# Altium PCB KS2E_PRECHARGE.PcbDoc
Units mm, origin at the board's own origin, x right, y up, seen from the top; angles counter-clockwise.
Board outline 90 x 84 mm, 2 copper layers (Top Layer, Bottom Layer), stack 1.569 mm thick; 92 components, 63 nets, 268 pads, 61 vias.
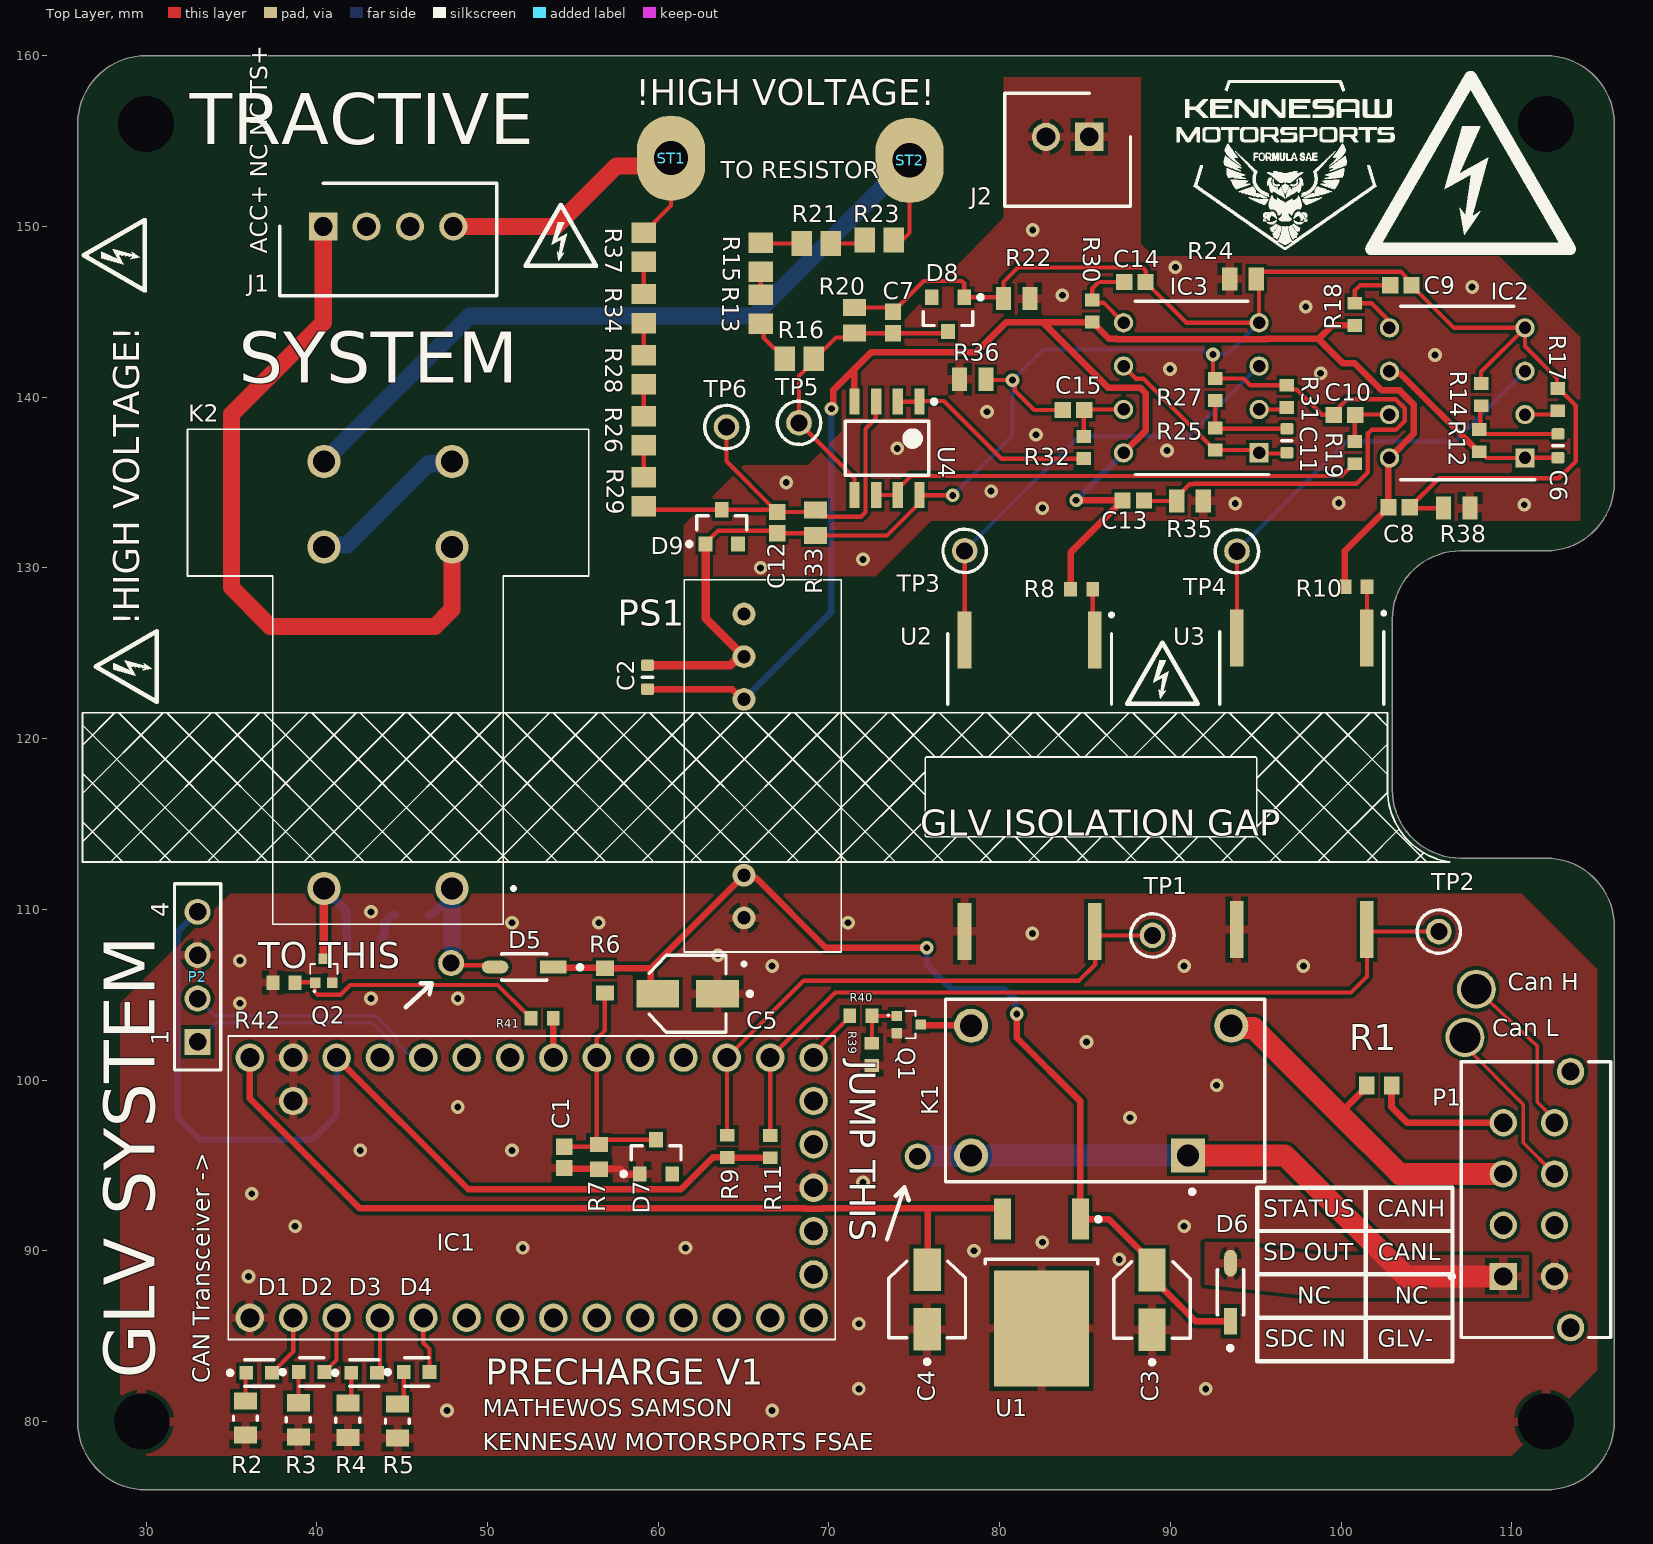
[diagram p0: Top Layer view]
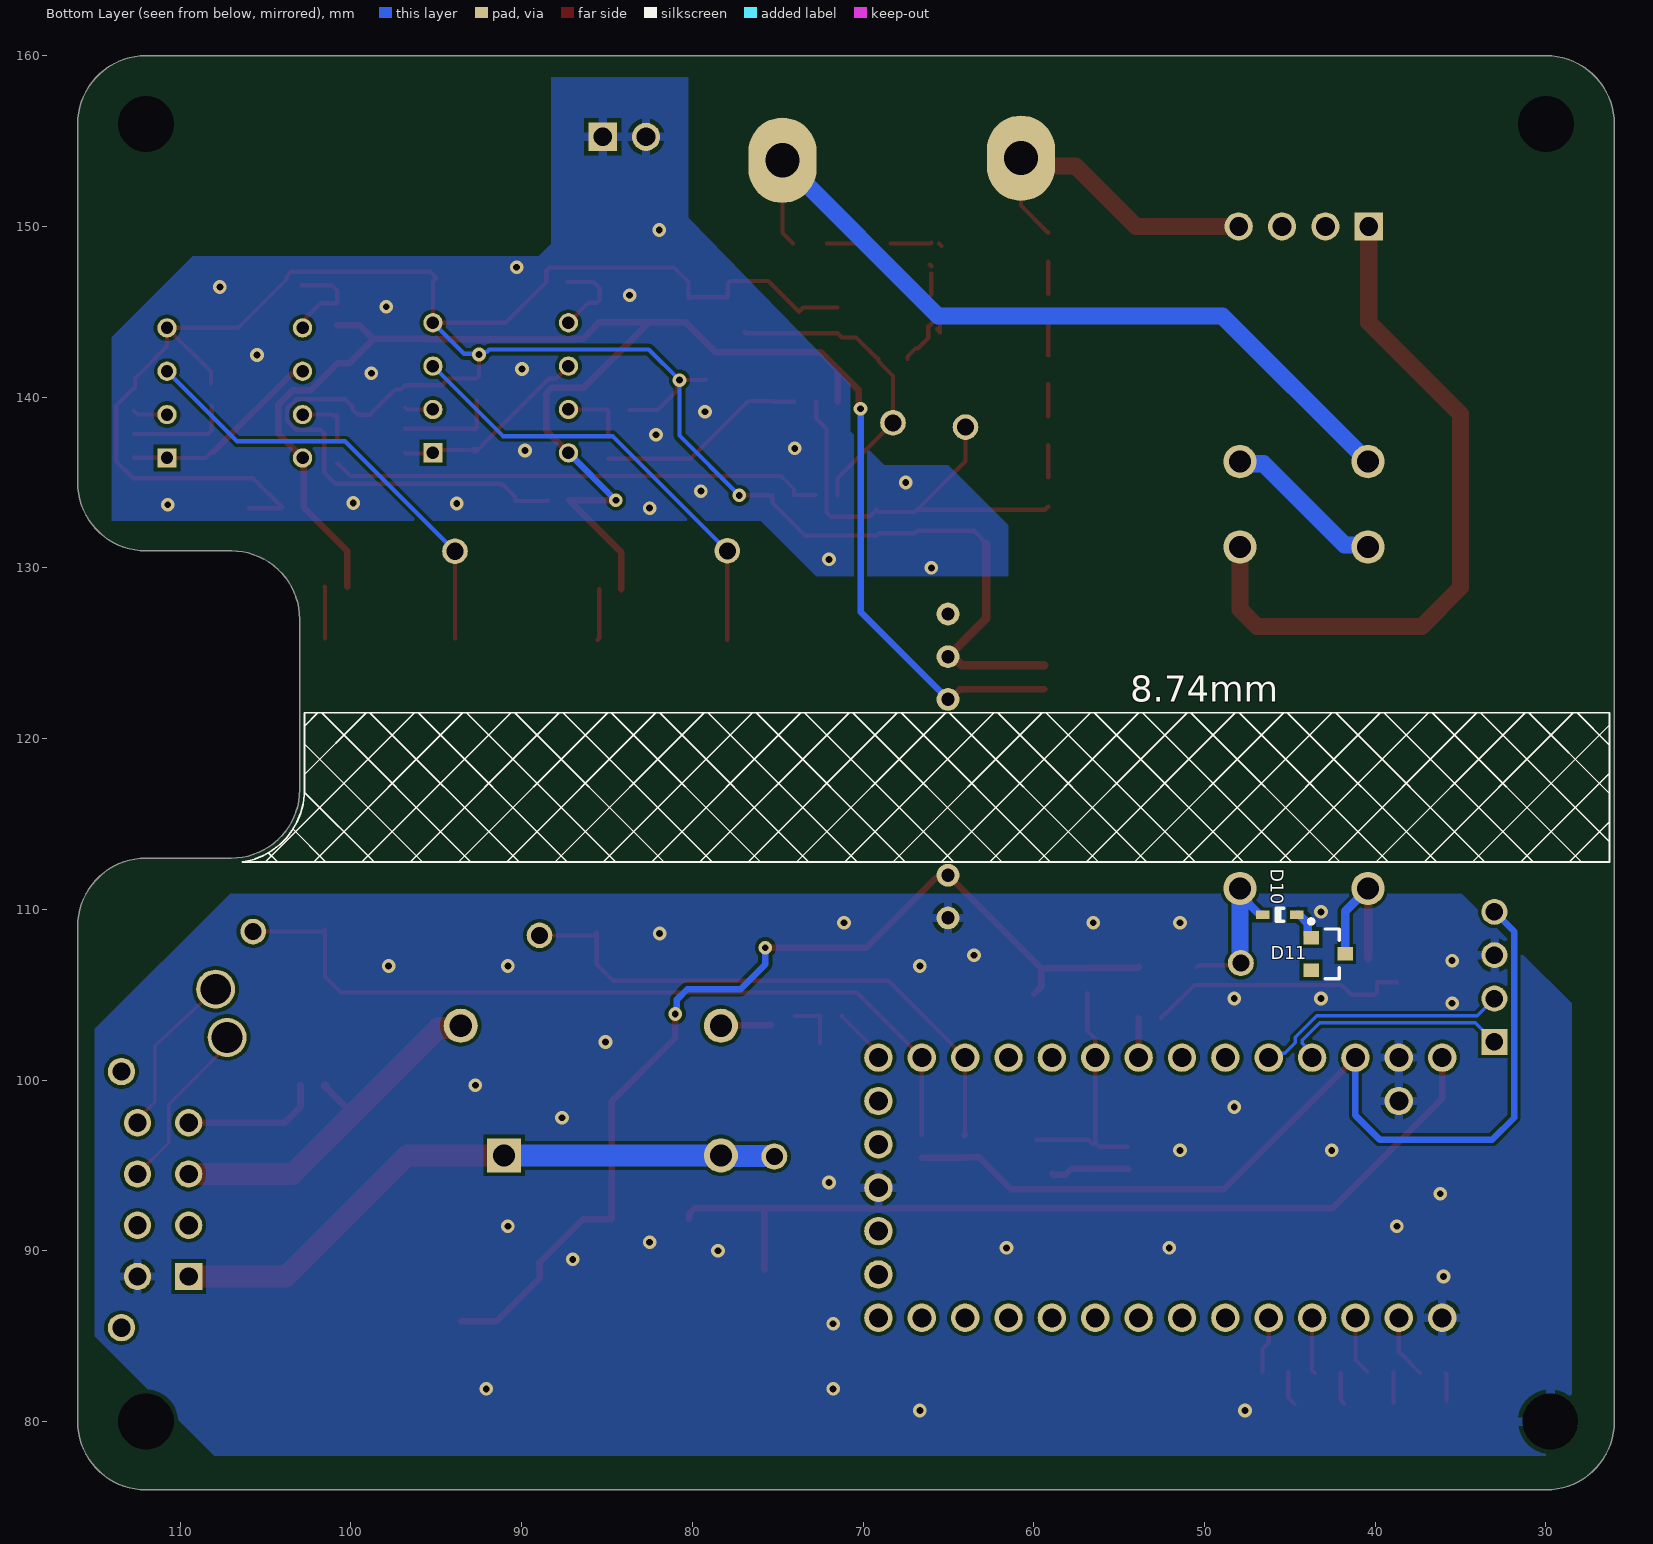
[diagram p1: Bottom Layer view, seen from below]
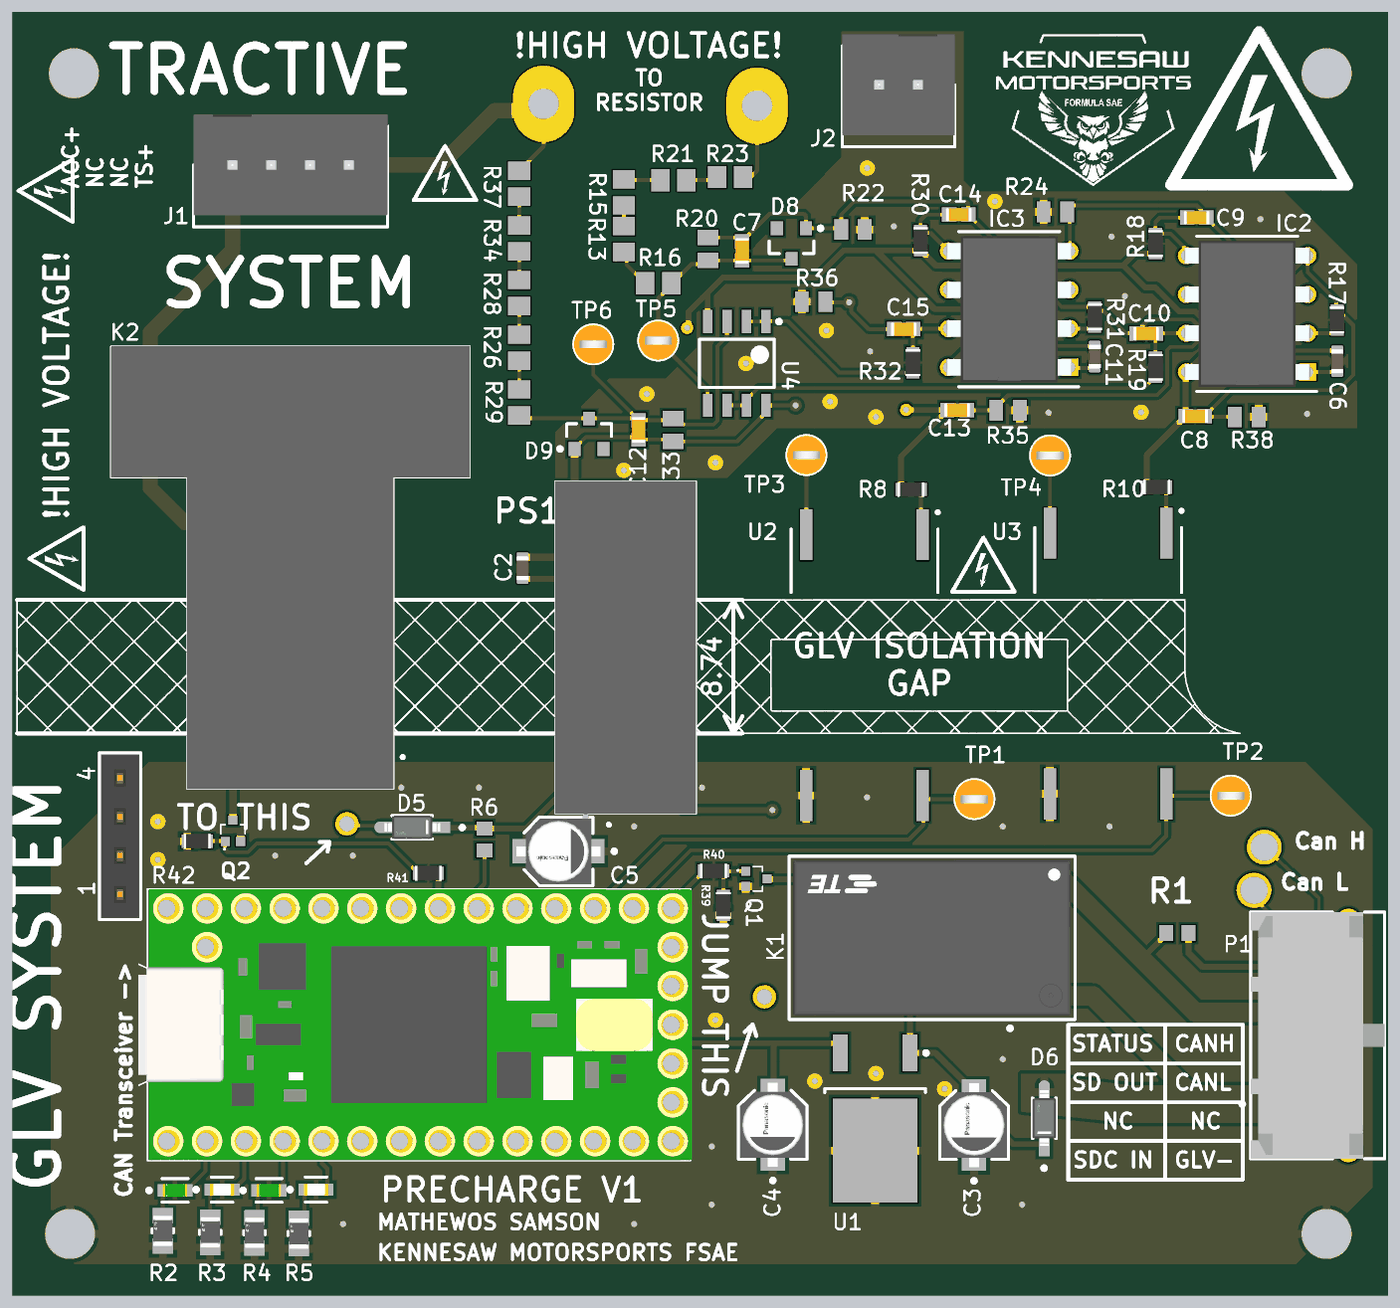
[diagram p2: 3D render of the assembled board from above, using the file's embedded part models]

## Layer stack, top to bottom
Top Solder: solder mask 0.0254, SM-001, Dk 4
Top Layer: signal copper 0.035
Dielectric 1: core 1.4986, Core-043, Dk 4.3
Bottom Layer: signal copper 0.035
Bottom Solder: solder mask 0.0254, SM-001, Dk 4

## Board outline
30,76 111,76 112,76 ccw(c112,80) 116,80 116,109 ccw(c112,109) 112,113 107,113 cw(c107,117) 103,117 103,127 cw(c107,127) 107,131 112,131 ccw(c112,135) 116,135 116,156 ccw(c112,156) 112,160 30,160 ccw(c30,156) 26,156 26,80 ccw(c30,80)

## Design rules (kind name [scope] priority, off if disabled: settings)
BoardOutlineClearance [All] p1: gap=0.2 ignorepadtopadclearanceinfootprint=FALSE except(0.4: Arc-SplitBarrior Arc-SplitContinuation Track-SplitBarrior Track-SplitContinuation SMDPad-SplitBarrior SMDPad-SplitContinuation THPad-SplitBarrior THPad-SplitContinuation Via-SplitBarrior Via-SplitContinuation Fill-SplitBarrior Fill-SplitContinuation Poly-SplitBarrior Poly-SplitContinuation Region-SplitBarrior Region-SplitContinuation Text-SplitBarrior Text-SplitContinuation)
Clearance "Clearance Bottom Layer" [OnLayer('Bottom Layer')] p1: gap=0.203 ignorepadtopadclearanceinfootprint=TRUE except(0.254: Arc-Text Track-Text SMDPad-Text THPad-Text Via-Text Fill-Text Poly-Text Region-Text Text-Text)
Clearance "Clearance Top Layer" [OnLayer('Top Layer')] p2: gap=0.203 ignorepadtopadclearanceinfootprint=TRUE except(0.254: Arc-Text Track-Text SMDPad-Text THPad-Text Via-Text Fill-Text Poly-Text Region-Text Text-Text)
Clearance [All] p3: gap=0.2 ignorepadtopadclearanceinfootprint=FALSE except(0.089: Arc-Arc Arc-Track Arc-SMDPad Track-Track Track-SMDPad SMDPad-SMDPad; 0.127: Arc-Via Track-Via SMDPad-Via THPad-Via Via-Via; 0.254: Arc-Text Track-Text SMDPad-Text THPad-Text Via-Text Fill-Text Poly-Text Region-Text Text-Text)
DiffPairsRouting [All] p1: maxlimit=0.254 minlimit=0.254 mostfreqgap=0.254 toplayer_minwidth=0.381 toplayer_maxwidth=0.381 toplayer_prefwidth=0.381 bottomlayer_minwidth=0.381 bottomlayer_maxwidth=0.381 bottomlayer_prefwidth=0.381 maxuncoupledlength=12.7
HoleSize [All] p1: absolutevalues=TRUE maxlimit=6.3 minlimit=0.2 maxpercent=80.000 minpercent=20.000
MinimumAnnularRing [All] p1: minimumring=0.076
MinimumSolderMaskSliver [All] p1: minsoldermaskwidth=0.1
PolygonConnect PolygonConnect_1 [All] p1: thpad.connectstyle=Relief thpad.reliefconductorwidth=0.508 thpad.reliefentries=4 thpad.polygonreliefangle="90 Angle" thpad.airgapwidth=0.254 smdpad.connectstyle=Relief smdpad.reliefconductorwidth=0.508 smdpad.reliefentries=4 smdpad.polygonreliefangle="90 Angle" smdpad.airgapwidth=0.254 via.connectstyle=Direct via.reliefconductorwidth=0.508 via.reliefentries=4 via.polygonreliefangle="90 Angle" via.airgapwidth=0.254
RoutingCorners [All] p1: cornerstyle=Round minsetback=2.54 maxsetback=2.54
RoutingVias [All] p1: holewidth=0.5 width=1 viastyle="Through Hole" minholewidth=0.2 minwidth=0.45 maxholewidth=1 maxwidth=2
SilkToSilkClearance [All] p1: silktosilkclearance=0.1
SilkToSolderMaskClearance [IsPad] p1: minsilkscreentomaskgap=0.1 clearancetoexposedcopper=TRUE
SolderMaskExpansion [All] p1: expansion=0.102 istentingtop=FALSE
Width [All] p1: maxlimit=2.54 minlimit=0.089 preferedwidth=0.381
24 further rules are at their usual default settings.

## Classes and differential pairs
component class U_KS2E_PCHG_LVSIDE: C1 C2 C3 C4 C5 D1 D2 D3 D4 D5 D6 D7 D10 D11 IC1 K1 K2 P1 P2 PS1 Q1 Q2 R1 R2 R3 R4 R5 R6 R7 R39 R40 R41 R42 ST1 ST2 U1
component class U_KS2E_PCHG_HVSIDE: C6 C7 C8 C9 C10 C11 C12 C13 C14 C15 D8 D9 IC2 IC3 J1 J2 R8 R9 R10 R11 R12 R13 R14 R15 R16 R17 R18 R19 R20 R21 R22 R23 R24 R25 R26 R27 R28 R29 R30 R31 R32 R33 R34 R35 R36 R37 R38 TP1 TP2 TP3 TP4 TP5 TP6 U2 U3 U4
differential pair CAN: +CAN_P -CAN_N

## Components (designator, comment, footprint, x,y, rotation, side; value= is the part's Value field where it differs from the comment)
C1 "Capacitor 100 nF +/-10% 50 V 0603" CAPC1608X90X40NL10T20 54.5,95.475 r90 top value=100nF
C2 "Capacitor 1µF +/-0.1% 25V 0603" CAPC0603(1608)100_L 59.375,123.6 r90 top value=1µF
C3 "EEEFK1E100R" FP-FKB-MFG 88.925,87.125 r90 top
C4 "EEEFK1E100R" FP-FKB-MFG 75.75,87.15 r90 top
C5 "EEEFK1E100R" FP-FKB-MFG 61.722,105.054 r180 top
C6 "Capacitor 1µF +/-0.1% 25V 0603" CAPC0603(1608)100_L 112.7,137.15 r270 top value=1µF
C7 "Capacitor 100 nF +/-10% 50 V 0603" CAPC1608X90X40NL10T20 73.75,144.375 r270 top value=100nF
C8 "Capacitor 100 nF +/-10% 50 V 0603" CAPC1608X90X40NL10T20 103.4,133.55 r180 top value=100nF
C9 "Capacitor 100 nF +/-10% 50 V 0603" CAPC1608X90X40NL10T20 103.5,146.55 r180 top value=10nF
C10 "Capacitor 100 nF +/-10% 50 V 0603" CAPC1608X90X40NL10T20 100.2,138.95 r0 top value=100nF
C11 "Capacitor 1µF +/-0.1% 25V 0603" CAPC0603(1608)100_L 96.825,137.45 r270 top value=1µF
C12 "Capacitor 100 nF +/-10% 50 V 0603" CAPC1608X90X40NL10T20 66.975,132.65 r90 top value=100nF
C13 "Capacitor 100 nF +/-10% 50 V 0603" CAPC1608X90X40NL10T20 87.825,133.95 r180 top value=100nF
C14 "Capacitor 100 nF +/-10% 50 V 0603" CAPC1608X90X40NL10T20 87.925,146.75 r180 top value=10nF
C15 "Capacitor 100 nF +/-10% 50 V 0603" CAPC1608X90X40NL10T20 84.325,139.25 r0 top value=100nF
D1 "LTST-C193KGKT-5A" FP-LTST-C193KGKT-5A-MFG 36.625,82.85 r0 top
D2 "LTST-C193KRKT-5A" FP-LTST-C193KRKT-5A-MFG 39.7,82.9 r0 top
D3 "LTST-C193KGKT-5A" FP-LTST-C193KGKT-5A-MFG 42.775,82.85 r0 top
D4 "LTST-C193KRKT-5A" FP-LTST-C193KRKT-5A-MFG 45.85,82.9 r0 top
D5 "1N5819HW-7-F" FP-SOD123-IPC_A 52.15,106.625 r180 top
D6 "1N5819HW-7-F" FP-SOD123-IPC_A 93.525,87.575 r90 top
D7 "BZX84C3V3LT1G" ONSC-SOT-23-3-318-08_V 59.875,95.5 r90 top
D8 "BZX84C12LT1G" ONSC-SOT-23-3-318-08_V 76.975,144.85 r270 top
D9 "BZX84C12LT1G" ONSC-SOT-23-3-318-08_V 63.725,132.4 r90 top
D10 "1N4148WT" FAIR-SOD-523F-2_V 45.593,109.677 r180 bottom
D11 "BZX84C36LT1G" ONSC-SOT-23-3-318-08_V 42.758,107.391 r180 bottom
IC1 "TEENSY_4.0" TEENSY40 36.08,86.075 r0 top locked
IC2 "LM331N_NOPB" DIP794W53P254L959H508Q8N 106.8,140.25 r180 top
IC3 "LM331N_NOPB" DIP794W53P254L959H508Q8N 91.225,140.55 r180 top locked
J1 "0705430003" SHDR4W64P0X254_1X4_1271X660X1181P 40.38,150 r180 top
J2 "0705430001" SHDR2W64P0X254_1X2_737X660X1181P 85.25,155.25 r180 top
K1 "T77S1D3-12" FP-T77S1D3-12-MFG 86.178,99.386 r180 top
K2 "G2RG-2A-X_DC12" G2RG2AXDC12 47.925,111.225 r90 top
P1 "43045-0812" MOLX-43045-0812_V 111.47,93 r90 top
P2 "61300411821" 61300411821 33.02,106.045 r90 top
PS1 "SPAN02A-12" SPAN02A12 65.025,109.5 r90 top
Q1 "SSM3K56FS,LF" 1SS423 74.675,103.25 r270 top
Q2 "SSM3K56FS,LF" 1SS423 40.411,106.401 r0 top
R1 "10K" RESC1608X55X30ML15T15 102.235,99.695 r180 top
R2 "RN73C2A200RBTD" FP-RN732A-MFG 35.825,80.2 r90 top value=200Ω
R3 "RN73C2A200RBTD" FP-RN732A-MFG 38.925,80.1 r90 top value=200Ω
R4 "RN73C2A200RBTD" FP-RN732A-MFG 41.825,80.075 r90 top value=200Ω
R5 "RN73C2A200RBTD" FP-RN732A-MFG 44.725,80.025 r90 top value=200Ω
R6 "20k" RESC1608X55X30ML15T15 56.875,105.825 r90 top
R7 "6.8k" RESC1608X55X30ML15T15 56.525,95.5 r90 top
R8 "ERJ3EKF1002V" RESC1609X55X30LL15T15 84.8,128.75 r0 top
R9 "ERJ3EKF1002V" RESC1609X55X30LL15T15 64.05,96.125 r90 top
R10 "ERJ3EKF1002V" RESC1609X55X30LL15T15 100.875,128.9 r0 top
R11 "ERJ3EKF1002V" RESC1609X55X30LL15T15 66.55,96.1 r90 top
R12 "ERJ3EKF1002V" RESC1609X55X30LL15T15 108.1,137.45 r270 top
R13 "510k" RESC2013X60X40NL20T25 66,145.15 r270 top
R14 "ERJ3EKF1002V" RESC1609X55X30LL15T15 108.2,140.15 r270 top
R15 "510k" RESC2013X60X40NL20T25 66,148.2 r270 top
R16 "510k" RESC2013X60X40NL20T25 68.25,142.25 r0 top
R17 "ERJ3EKF1002V" RESC1609X55X30LL15T15 112.7,139.85 r270 top
R18 "ERJ3EKF1002V" RESC1609X55X30LL15T15 100.8,144.85 r90 top
R19 "ERJ3EKF1002V" RESC1609X55X30LL15T15 100.8,136.75 r270 top
R20 "39k" RESC2013X60X40LL20T25 71.5,144.5 r270 top
R21 "510k" RESC2013X60X40NL20T25 69.25,149 r0 top
R22 "0R" RESC2013X65X40LL15T20 81,145.775 r0 top
R23 "510k" RESC2013X60X40NL20T25 72.956,149.208 r0 top
R24 "0R" RESC2013X65X40LL15T20 94.25,146.925 r180 top
R25 "ERJ3EKF1002V" RESC1609X55X30LL15T15 92.625,137.55 r270 top
R26 "510k" RESC2013X60X40NL20T25 59.15,138.031 r270 top
R27 "ERJ3EKF1002V" RESC1609X55X30LL15T15 92.625,140.45 r270 top
R28 "510k" RESC2013X60X40NL20T25 59.15,141.613 r270 top
R29 "510k" RESC2013X60X40NL20T25 59.15,134.45 r270 top
R30 "ERJ3EKF1002V" RESC1609X55X30LL15T15 85.425,145.05 r90 top
R31 "ERJ3EKF1002V" RESC1609X55X30LL15T15 96.825,140.05 r270 top
R32 "ERJ3EKF1002V" RESC1609X55X30LL15T15 84.925,137.05 r270 top
R33 "ERA6AEB393V" RESC2013X60X40LL20T25 69.225,132.65 r90 top value=39k
R34 "510k" RESC2013X60X40NL20T25 59.15,145.194 r90 top
R35 "0R" RESC2013X65X40LL15T20 91.15,133.925 r0 top
R36 "0R" RESC2013X65X40LL15T20 78.425,141.05 r180 top
R37 "510k" RESC2013X60X40NL20T25 59.15,148.775 r90 top
R38 "0R" RESC2013X65X40LL15T20 106.775,133.5 r0 top
R39 "10k ohm" RESC1608X55X30LL15T15 72.517,101.509 r270 top
R40 "100 ohm" RESC1608X55X30LL15T15 71.875,103.767 r180 top
R41 "100 ohm" RESC1608X55X30LL15T15 53.204,103.614 r180 top
R42 "10k ohm" RESC1608X55X30LL15T15 38.08,105.714 r180 top
ST1 "PTH-M2D5X5" PTH-M2D5X5 60.75,154 r0 top
ST2 "PTH-M2D5X5" PTH-M2D5X5 74.725,153.875 r0 top
TP1 "5003" KSTN-5003 88.95,108.475 r0 top
TP2 "5003" KSTN-5003 105.725,108.7 r0 top
TP3 "5003" KSTN-5003 77.95,131 r0 top
TP4 "5003" KSTN-5003 93.9,130.975 r0 top
TP5 "5003" KSTN-5003 68.25,138.5 r0 top
TP6 "5003" KSTN-5003 64,138.25 r0 top
U1 "LF50ABDT-TR" TO-252_M 82.45,87.55 r270 top
U2 "CNY65ABST" SOIC762P1940X755-4N 81.75,117.25 r270 top
U3 "CNY65ABST" SOIC762P1940X755-4N 97.7,117.35 r270 top
U4 "LM2904DR2G" ONSC-SOIC-8-751-07_V 73.4,137 r270 top

## Footprints (in the part's own frame and the unit in brackets; to place one, negate y for a bottom-side part, rotate by r counter-clockwise, add the part's x,y. Pads: shape width x height; smd on the part's side, far side on the other; paste and mask are expansions set on the pad)
1SS423 [mm]
  rect 0.6x0.6 smd: 1(-0.5,-0.7) 2(0.5,-0.7) 3(0,0.7)
  silkscreen extent -0.8,-1.25 0.8,0.4
61300411821 [mm] "Socket Header, Pitch 2.54 mm, THT, Vertical, single row, 4p"
  rect 1.52x1.52 hole 1.02: 1(-3.81,0)
  round 1.52 hole 1.02: 2(-1.27,0) 3(1.27,0) 4(3.81,0)
  silkscreen extent -5.46,-1.35 5.46,1.35, body extent -5.33,-1.25 5.33,1.25, height 8.55
CAPC0603(1608)100_L [mm] "Chip Capacitor, Body 1.6x0.8mm, Height 1.0mm, IPC High Density"
  rrect25% 0.66x0.76 smd: 1(-0.7,0) 2(0.7,0)
  silkscreen extent 0,-0.3 0,0.3, body extent -0.8,-0.4 0.8,0.4, height 0.95
CAPC1608X90X40NL10T20 [mm] "Chip Capacitor, 2-Leads, Body 1.70x0.90mm, IPC Medium Density"
  rect 0.95x0.95 smd: 1(-0.625,0) 2(0.625,0)
  body extent -0.85,-0.45 0.85,0.45, height 0.9
DIP794W53P254L959H508Q8N [mm]
  rect 1.13x1.13 hole 0.73: 1(-3.97,3.81)
  round 1.13 hole 0.73: 2(-3.97,1.27) 3(-3.97,-1.27) 4(-3.97,-3.81) 5(3.97,-3.81) 6(3.97,-1.27) 7(3.97,1.27) 8(3.97,3.81)
  silkscreen extent -4.54,-5.08 3.3,5.08, body extent -4.1,-4.79 4.1,4.79, height 5.08
FAIR-SOD-523F-2_V [mm] "SMD, 2-Leads, Body 1.2x0.8mm, Height 0.7mm"
  rect 0.8x0.5 smd: 1(-1,0) 2(1,0)
  silkscreen extent -0.2,-0.38 0.24,0.38, body extent -0.6,-0.4 0.6,0.4, height 0.71
FP-FKB-MFG [mm]
  rect 2.5x1.6 smd paste+0 mask+0: 1(-1.75,0) 2(1.75,0)
  silkscreen extent -3.77,-2.25 2.25,2.25, body extent -3.25,-2.5 3.25,2.5, height 0.25
FP-LTST-C193KGKT-5A-MFG [mm]
  rect 0.8x0.8 smd paste+0 mask+0: 1(-0.75,0) 2(0.75,0)
  silkscreen extent -1.82,-0.78 0.85,0.77, body extent -1.25,-0.55 1.25,0.55, height 0.25
FP-LTST-C193KRKT-5A-MFG [mm]
  rect 0.8x0.8 smd paste+0 mask+0: 1(-0.75,0) 2(0.75,0)
  silkscreen extent -1.82,-0.83 0.7,0.82, body extent -1.25,-0.55 1.25,0.55, height 0.25
FP-RN732A-MFG [mm]
  rect 1x1.35 smd paste+0 mask+0: 1(-1,0) 2(1,0)
  silkscreen extent -0.13,-0.7 0.13,0.7, body extent -1.6,-0.8 1.6,0.8, height 0.25
FP-SOD123-IPC_A [mm]
  rect 1.557x0.742 smd paste+0 mask+0: 1(-1.7,0)
  rrect100% 1.557x0.742 smd paste+0 mask+0: 2(1.7,0)
  silkscreen extent -3.39,-0.77 1.33,0.77, body extent -2.98,-1.28 2.98,1.28, height 0.25
FP-T77S1D3-12-MFG [mm]
  rect 2x2 hole 1.3 paste-1000 mask+0: 1(-4.85,3.8)
  round 2 hole 1.3 paste-1000 mask+0: 2(7.85,3.8) 3(-7.39,-3.8) 4(7.85,-3.8)
  silkscreen extent -9.35,-5.35 9.35,6.05, body extent -9.45,-5.45 9.45,5.45, height 0.25
G2RG2AXDC12 [mm]
  round 1.95 hole 1.3: 1(0,0) 3(20,0) 4(25,0) 5(25,7.5) 6(20,7.5) 8(0,7.5)
  silkscreen extent -2.1,-8 26.9,15.5, body extent -2.1,-8 26.9,15.5, height 29.6
KSTN-5003 [mm] "Test Point, Through Hole, Dia 2.54mm"
  round 1.5 hole 1: 1(0,0)
  silkscreen extent -1.27,-1.27 1.27,1.27, body extent -1.27,-1.27 1.27,1.27, height 4.57
MOLX-43045-0812_V [mm] "PCB Header, 8-Leads, Vertical, Pitch 3 mm, Mated Height 17.27 mm, Through Hole"
  rect 1.6x1.6 hole 1.07: 1(-4.5,1.97)
  round 1.6 hole 1.07: 2(-1.5,1.97) 3(1.5,1.97) 4(4.5,1.97) 5(-4.5,-1.03) 6(-1.5,-1.03) 7(1.5,-1.03) 8(4.5,-1.03) MH1(-7.5,-1.97) MH2(7.5,-1.97)
  silkscreen extent -8.08,-4.33 8.08,5.11, body extent -8.08,-4.33 8.08,4.44, height 9.91
ONSC-SOIC-8-751-07_V [mm] "SOIC, 8-Leads, Body 4.9x3.9mm, Pitch 1.27mm"
  rect 1.52x0.6 smd: 1(-2.74,1.905) 2(-2.74,0.635) 3(-2.74,-0.635) 4(-2.74,-1.905) 5(2.74,-1.905) 6(2.74,-0.635) 7(2.74,0.635) 8(2.74,1.905)
  silkscreen extent -2.86,-2.45 1.58,2.88, body extent -1.95,-2.45 1.95,2.45, height 1.75
ONSC-SOT-23-3-318-08_V [mm] "SOT23, 3-Leads, Body 2.92x1.3mm, Pitch 0.95mm"
  rect 0.9x0.8 smd: 1(-1,0.95) 2(-1,-0.95) 3(1,0)
  silkscreen extent -1.12,-1.46 0.65,2.02, body extent -0.65,-1.46 0.65,1.46, height 1.11
PTH-M2D5X5 [mm]
  oval 4x5 hole 2: 1(0,0)
RESC1608X55X30LL15T15 [mm] "Chip Resistor, 2-Leads, Body 1.75x0.95mm, IPC High Density"